# Altium PCB I2C_Jog_Controller.pcbdoc (part 6 of 6)
Units mm, origin at the board's own origin, x right, y up, seen from the top; angles counter-clockwise.
Board outline 94.01 x 162 mm, 4 copper layers (Top Layer, L1, L2, Bottom Layer), stack 1.606 mm thick; 147 components, 78 nets, 5389 pads, 241 vias.
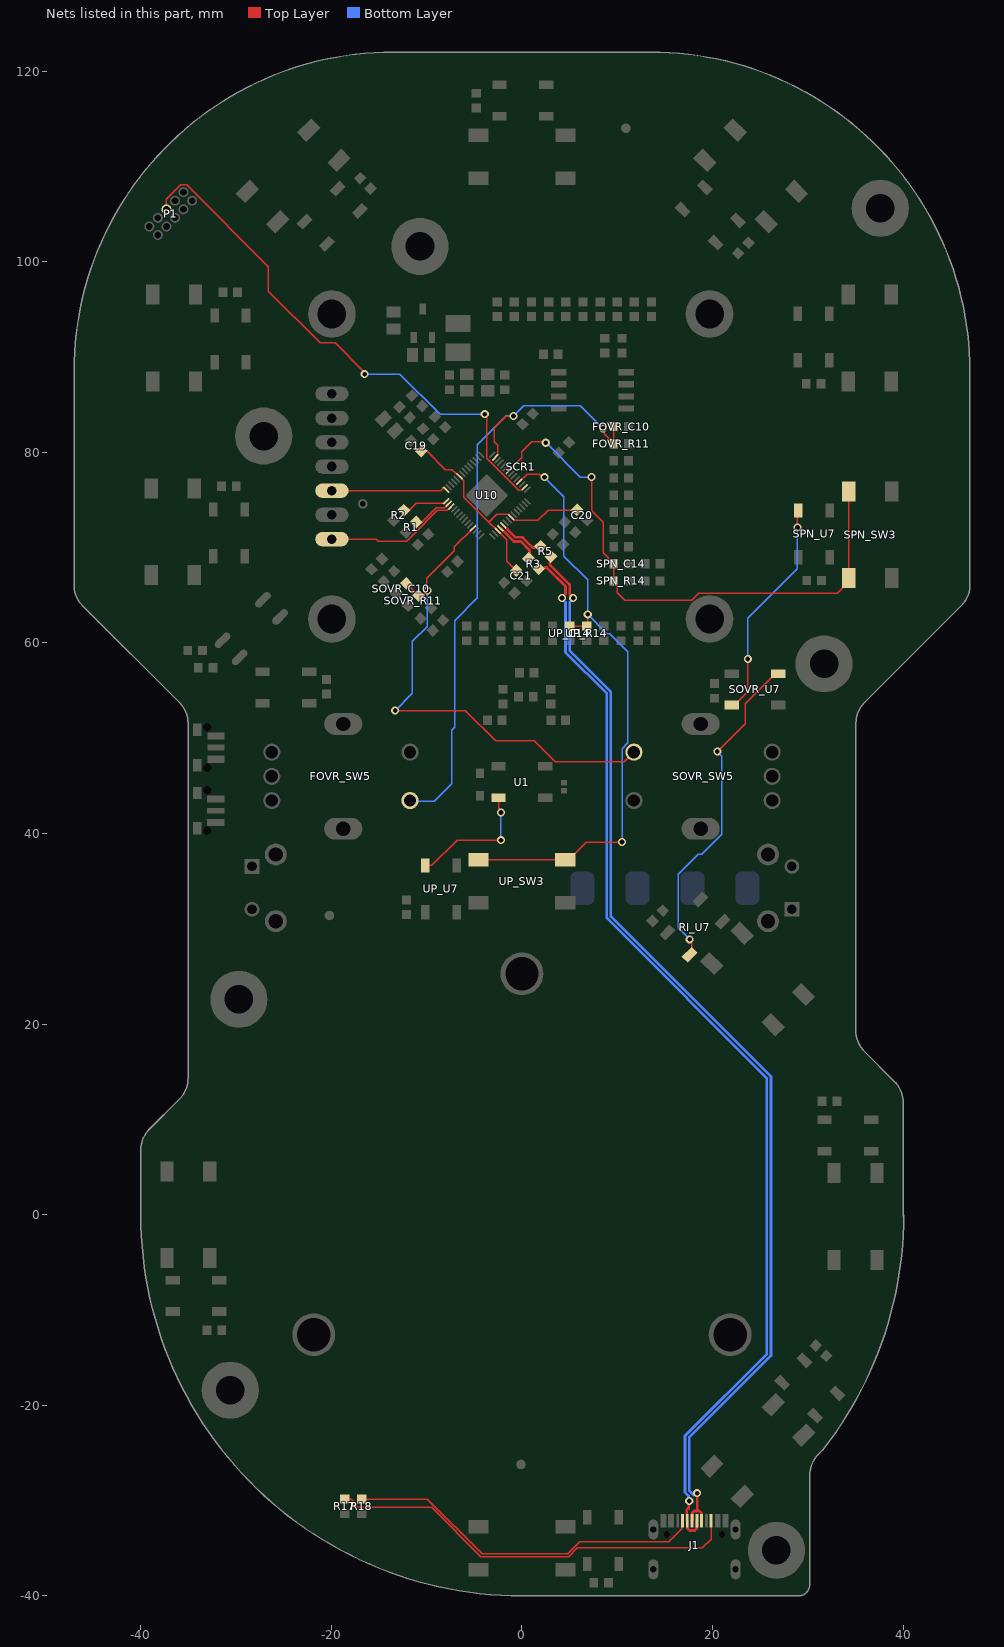
[diagram p8: the nets of this part, all layers, seen from the top]

## Via types
v1: diameter 0.85, hole 0.5, Top Layer to Bottom Layer, tented both sides, 234 vias
v2: diameter 0.85, hole 0.5, Top Layer to Bottom Layer, 7 vias

## Nets (pads, with @x,y where several pads share a name; then routed paths per layer and width w, separated by ;. In a path a pad name is that pad's centre, name@x,y a point inside that pad or via, vN(x,y) a via of type N, cw(c..) or ccw(c..) an arc to the next point about the centre after c; other vN are vias at no path point) (continued)
SCR_RESET: SCR1.7 U10.31 | length 14.1
  Top Layer w0.152: SCR1.7@-19.939,70.888 -15.292,70.888 -15.091,70.687 -12.067,70.687 -10.186,72.568 -10.186,72.61 -8.892,73.904 -7.838,73.904 -7.432,74.31 U10.31@-7.398,74.31
SL1_LED_IN: U1.2 UP_U7.4 | length 13.6
  Top Layer w0.152: UP_U7.4@-10.157,36.65 -9.446,36.65 -6.796,39.3 v1(-2.2,39.3) ; U1.2@-2.45,43.75 -2.45,42.639 -2.2,42.389 v1(-2.2,42.2)
  Bottom Layer w0.152: v1(-2.2,39.3) v1(-2.2,42.2)
SOVR_LED_IN: RI_U7.2 SOVR_U7.4 | length 35.3
  Top Layer w0.152: RI_U7.2@17.586,27.282 17.798,27.494 17.798,28.513 17.6,28.711 v1(17.6,28.9) ; v1(20.5,48.6) 23.429,51.529 23.429,53.614 26.599,56.783 SOVR_U7.4@26.899,56.783
  Bottom Layer w0.152: v1(17.6,28.9) 16.408,30.092 16.408,35.736 18.504,37.833 18.882,37.833 20.979,39.929 20.979,48.121 v1(20.5,48.6)
SPI0_CLK: R2.2 U10.29 | length 4.8
  Top Layer w0.152: R2.2@-12.384,73.931 -12.366,73.914 -11.816,73.914 -11.093,74.637 -8.203,74.637 U10.29@-7.964,74.876
SPI0_CSn: SCR1.5 U10.28 | length 12.2
  Top Layer w0.152: SCR1.5@-19.939,75.968 -8.496,75.968 -8.201,76.263 -8.167,76.263 U10.28@-7.964,76.06
SPI0_TX: R1.2 U10.30 | length 4.2
  Top Layer w0.152: R1.2@-11.09,72.68 -11.076,72.666 -10.526,72.666 -9.008,74.184 -8.124,74.184 -7.715,74.593 U10.30@-7.681,74.593
SPINDLE: SPN_C14.1 SPN_R14.2 SPN_SW3.3 SPN_SW3.4 U10.8 | length 60
  Top Layer w0.152: U10.8@-1.406,78.04 -0.021,79.425 -0.021,80.076 1.008,81.104 2.396,81.104 v1(2.5,81) ; v1(7.3,77.4) 7.3,73.86 8.504,72.655 8.504,69.451 9.63,68.325 SPN_R14.2@9.63,66.5 10.019,66.111 10.019,65.285 10.808,64.496 17.816,64.496 18.555,65.235 33.085,65.235 34.3,66.45 SPN_SW3.3@34.3,75.9
  Bottom Layer w0.152: v1(2.5,81) 2.528,81 6.128,77.4 v1(7.3,77.4)
SPN_LED_IN: SOVR_U7.2 SPN_U7.4 | length 23.2
  Top Layer w0.152: SOVR_U7.2@22.299,53.483 23.7,54.884 v1(23.7,58.3) ; v1(28.9,72.1) 28.9,73.8 SPN_U7.4@29,73.9
  Bottom Layer w0.152: v1(23.7,58.3) 23.7,62.6 28.9,67.8 v1(28.9,72.1)
SW_FEEDOVER: FOVR_C10.2 FOVR_R11.2 FOVR_SW5.E U10.13 | length 67.5
  Top Layer w0.152: U10.13@-2.82,79.454 -2.82,79.488 -2.515,79.793 -2.515,80.719 -2.904,81.108 -2.904,82.592 -1.696,83.8 v1(-0.9,83.8) ; v1(8.5,82.5) 8.633,82.367 8.633,81.922 9.63,80.925 FOVR_R11.2@9.63,80.9 FOVR_C10.2@9.63,82.7
  Bottom Layer w0.152: FOVR_SW5.E@-11.75,43.46 -11.668,43.378 -9.222,43.378 -7.384,45.216 -7.384,50.821 -7.063,51.142 -7.063,62.328 -4.679,64.713 -4.679,80.817 -1.696,83.8 v1(-0.9,83.8) 0.163,84.863 6.137,84.863 v1(8.5,82.5)
SW_SPINOVER: SOVR_C10.2 SOVR_R11.2 SOVR_SW5.E U10.39 | length 53.5
  Top Layer w0.152: v1(-13.3,52.9) -5.941,52.9 -2.774,49.733 1.29,49.733 3.483,47.54 10.75,47.54 SOVR_SW5.E@11.75,48.54 ; SOVR_C10.2@-12.134,66.249 SOVR_R11.2@-10.861,64.977 -10.423,64.977 v1(-9.9,65.5) -10,65.6 v1@-10,65.873 ; v1@-10.137,65.737 v1@-10,65.873 ; U10.39@-5.136,72.047 -7.116,70.067 -7.116,69.684 -10,66.8 v1@-10,65.873
  Bottom Layer w0.152: v1(-13.3,52.9) -11.493,54.707 -11.493,60.159 -9.945,61.706 -9.945,65.455 v1(-9.9,65.5)
UART_TX: P1.6 U10.2 | length 56.8
  Top Layer w0.152: P1.6@-37.3,105.496 -37.3,106.562 -35.816,108.046 -35.192,108.046 -26.596,99.45 -26.596,96.913 -21.185,91.502 -19.606,91.502 -16.633,88.53 -16.633,88.333 v1(-16.5,88.2) ; v1(-3.9,84) -3.9,83.811 -3.691,83.602 -3.691,79.383 -0.346,76.038 -0.047,76.038 0.258,76.343 U10.2@0.291,76.343
  Bottom Layer w0.152: v1(-16.5,88.2) -12.796,88.2 -8.596,84 v1(-3.9,84)
UP: U10.4 UP_C14.1 UP_R14.2 UP_SW3.3 UP_SW3.4 | length 64.3
  Top Layer w0.152: UP_SW3.4@-4.557,37.25 4.893,37.25 6.743,39.1 v1(10.5,39.1) ; U10.4@-0.274,76.908 0.538,77.721 1.841,77.721 2.174,77.387 v1(2.363,77.387) ; UP_C14.1@5,61.77 UP_R14.2@6.8,61.77 6.9,61.87 v1(6.9,63)
  Bottom Layer w0.152: v1(2.363,77.387) 4.396,75.355 4.396,69.108 6.9,66.604 v1(6.9,63) 8.921,60.979 9.217,60.979 11.104,59.092 11.104,49.499 10.5,48.894 v1(10.5,39.1)
USB_D_N: J1.A7 J1.B7 R3.1 | length 117.4
  Top Layer w0.279: R3.1@1.769,67.781 2.229,67.781 2.367,67.919 2.598,67.919 4.572,65.946 4.572,65.149 4.2,64.777 v1(4.2,64.7) ; v1(17.557,-30.043) 17.49,-30.11 17.49,-30.763 17.292,-30.961 17.292,-32.047 17.36,-32.115 17.36,-32.903 17.579,-33.122 18.121,-33.122 18.34,-32.903 18.34,-32.115 J1.A7@18.35,-32.105
  Bottom Layer w0.279: v1(4.2,64.7) 4.2,64.623 4.572,64.251 4.572,59.014 8.9,54.686 8.9,31.121 25.7,14.321 25.7,-14.6 17.112,-23.188 17.112,-29.123 17.477,-29.488 17.477,-29.963 v1(17.557,-30.043)
USB_D_P: J1.A6 J1.B6 R5.1 | length 116.9
  Top Layer w0.279: R5.1@3.042,69.054 3.042,68.594 2.904,68.456 2.904,68.224 5.003,66.124 5.003,65.149 5.375,64.777 v1(5.375,64.7) ; J1.A6@17.85,-32.105 17.896,-32.059 17.896,-31.252 18.059,-31.088 18.388,-31.088 ; v1(18.388,-29.212) 18.388,-31.088 ; J1.B6@18.85,-32.105 18.85,-31.889 18.84,-31.879 18.84,-31.307 18.621,-31.088 18.388,-31.088
  Bottom Layer w0.279: v1(5.375,64.7) 5.375,64.623 5.003,64.251 5.003,59.193 9.332,54.865 9.332,31.299 26.132,14.499 26.132,-14.779 17.544,-23.367 17.544,-28.944 v1@18.026,-29.426
USB_D_R_N: R3.2 U10.46 | length 4.9
  Top Layer w0.279: U10.46@-2.254,72.047 -2.254,72.036 -0.857,70.638 -0.121,70.638 0.818,69.699 0.818,69.468 0.68,69.33 R3.2@0.68,68.87
USB_D_R_P: R5.2 U10.47 | length 5
  Top Layer w0.203: U10.47@-1.971,72.33 -1.559,71.917
  Top Layer w0.279: -1.554,71.946 -0.678,71.07 0.058,71.07 1.123,70.005 1.355,70.005 1.493,70.143 R5.2@1.953,70.143
USBC_CC1: J1.A5 R18.1 | length 37.9
  Top Layer w0.152: R18.1@-16.805,-29.831 -9.939,-29.831 -4.186,-35.584 4.793,-35.584 6.079,-34.299 15.423,-34.299 16.776,-32.946 16.776,-32.179 J1.A5@16.85,-32.105
USBC_CC2: J1.B5 R17.1 | length 43.8
  Top Layer w0.152: R17.1@-18.605,-29.831 -17.886,-29.831 -17.562,-30.155 -17.562,-30.352 -17.237,-30.677 -9.488,-30.677 -4.302,-35.863 4.909,-35.863 5.818,-34.955 18.941,-34.955 19.85,-34.046 J1.B5@19.85,-32.105
VREG_1V1: C19.2 C20.2 C21.2 U10.23 U10.45 U10.50 | length 27.8
  Top Layer w0.152: C19.2@-10.551,80.123 -10.533,80.141 -9.983,80.141 -8.035,78.193 -7.346,78.193 -6.96,77.807 -6.916,77.807 -6.584,77.474 U10.23@-6.55,77.474 -6.55,77.441 -6.12,77.011 -6.12,75.307 -3.478,72.665 ; C21.2@-0.593,67.597 -1.575,68.579 -1.575,70.802 -3.115,72.342 -3.155,72.342 -3.478,72.665 ; C20.2@5.771,73.961 5.753,73.943 2.745,73.943 1.675,72.873 -0.784,72.873 -1.089,73.179 -1.157,73.179 -1.462,73.484 -2.659,73.484 -3.478,72.665
pads on no net: FID1.1 FID2.1 FID3.1 J1. JW1.MNT1 JW1.MNT2 JW1.MNT3 Logo1.1 P1.7 P1.8 P1.9 P1.10 SCR1.8 SCR1.9 SCR1.10 SCR1.11 SW1.MH1 SW1.MH2 SW2.MH1 SW2.MH2

## Polygon pours and split planes (outlines as drawn)
+5V on L2 "+5V_L03_P011" (solid, remove dead copper, pour order 11): -40,6.797 cw(c-39.998,6.797) -39.999,6.798 cw(c-36.933,6.798) -39.101,8.966 -35.935,12.132 ccw(c-38.103,14.3) -35.037,14.3 -35.037,51.567 ccw(c-38.103,51.567) -35.935,53.735 -46.102,63.902 cw(c-43.934,66.07) -47,66.07 -47,88.5 cw(c-13.5,88.5) -13.5,122 13.5,122 cw(c13.5,88.5) 47,88.5 47,66.079 47.009,66.079 cw(c43.943,66.079) 46.111,63.911 35.944,53.744 ccw(c38.112,51.576) 35.046,51.576 35.037,51.576 35.037,19.3 ccw(c38.103,19.3) 35.935,17.132 39.101,13.966 cw(c36.933,11.798) 39.999,11.798 39.999,-0.179 40.065,-0.018 cw(c0.065,-0.018) 31.55,-24.69 31.098,-25.142 ccw(c33.266,-27.31) 30.2,-27.31 30.2,-38.795 cw(c28.997,-38.795) 28.997,-39.997 28.997,-40.001 0,-40.001 cw(c0,-0.001) -40,-0.001
+3.3V on L2 "+3.3V_L03_P006" (solid, remove dead copper, pour order 6): -11.6,98.5 -10.2,99.9 -4.8,99.9 -2,102.7 14.3,102.7 14.9,102.1 14.9,90.2 13.9,89.2 13.9,77 16.9,74 16.9,60.4 14.6,58.1 -9.8,58.1 -17.3,65.6 -17.3,69.9 -11.6,75.6
GND on Top Layer "GND_L01_P008" (solid, remove dead copper, pour order 8): -40,6.797 cw(c-39.998,6.797) -39.999,6.798 cw(c-36.933,6.798) -39.101,8.966 -35.935,12.132 ccw(c-38.103,14.3) -35.037,14.3 -35.037,51.567 ccw(c-38.103,51.567) -35.935,53.735 -46.102,63.902 cw(c-43.934,66.07) -47,66.07 -47,88.5 cw(c-13.5,88.5) -13.5,122 13.5,122 cw(c13.5,88.5) 47,88.5 47,66.079 47.009,66.079 cw(c43.943,66.079) 46.111,63.911 35.944,53.744 ccw(c38.112,51.576) 35.046,51.576 35.037,51.576 35.037,19.3 ccw(c38.103,19.3) 35.935,17.132 39.101,13.966 cw(c36.933,11.798) 39.999,11.798 39.999,-0.179 40.065,-0.018 cw(c0.065,-0.018) 31.55,-24.69 31.098,-25.142 ccw(c33.266,-27.31) 30.2,-27.31 30.2,-38.795 cw(c28.997,-38.795) 28.997,-39.997 28.997,-40.001 0,-40.001 cw(c0,-0.001) -40,-0.001
GND on Bottom Layer "GND_L04_P009" (solid, remove dead copper, pour order 9): -40,6.797 cw(c-39.998,6.797) -39.999,6.798 cw(c-36.933,6.798) -39.101,8.966 -35.935,12.132 ccw(c-38.103,14.3) -35.037,14.3 -35.037,51.567 ccw(c-38.103,51.567) -35.935,53.735 -46.102,63.902 cw(c-43.934,66.07) -47,66.07 -47,88.5 cw(c-13.5,88.5) -13.5,122 13.5,122 cw(c13.5,88.5) 47,88.5 47,66.079 47.009,66.079 cw(c43.943,66.079) 46.111,63.911 35.944,53.744 ccw(c38.112,51.576) 35.046,51.576 35.037,51.576 35.037,19.3 ccw(c38.103,19.3) 35.935,17.132 39.101,13.966 cw(c36.933,11.798) 39.999,11.798 39.999,-0.179 40.065,-0.018 cw(c0.065,-0.018) 31.55,-24.69 31.098,-25.142 ccw(c33.266,-27.31) 30.2,-27.31 30.2,-38.795 cw(c28.997,-38.795) 28.997,-39.997 28.997,-40.001 0,-40.001 cw(c0,-0.001) -40,-0.001
GND on L1 "GND_L02_P010" (solid, remove dead copper, pour order 10): -40,6.797 cw(c-39.998,6.797) -39.999,6.798 cw(c-36.933,6.798) -39.101,8.966 -35.935,12.132 ccw(c-38.103,14.3) -35.037,14.3 -35.037,51.567 ccw(c-38.103,51.567) -35.935,53.735 -46.102,63.902 cw(c-43.934,66.07) -47,66.07 -47,88.5 cw(c-13.5,88.5) -13.5,122 13.5,122 cw(c13.5,88.5) 47,88.5 47,66.079 47.009,66.079 cw(c43.943,66.079) 46.111,63.911 35.944,53.744 ccw(c38.112,51.576) 35.046,51.576 35.037,51.576 35.037,19.3 ccw(c38.103,19.3) 35.935,17.132 39.101,13.966 cw(c36.933,11.798) 39.999,11.798 39.999,-0.179 40.065,-0.018 cw(c0.065,-0.018) 31.55,-24.69 31.098,-25.142 ccw(c33.266,-27.31) 30.2,-27.31 30.2,-38.795 cw(c28.997,-38.795) 28.997,-39.997 28.997,-40.001 0,-40.001 cw(c0,-0.001) -40,-0.001

## Other copper
Top Layer:
  pour cut-out: -7.964,74.876 -7.964,76.06 -4.287,79.737 -3.103,79.737 0.574,76.06 0.574,74.876 -3.103,71.199 -4.287,71.199

## Silkscreen, mask and mechanical layers (free items; w line width, h text height)
Top Overlay:
  circle w0.127: c24.753,-24.744 r5
  circle w0.127: c24.728,24.736 r5
  circle w0.127: c-35,-0.001 r5
  circle w0.127: c-0.002,-35 r5
  circle w0.127: c35,-0.179 r5
  circle w0.75: c-2.7,89.2 r0.1
  circle w0.25: c0,0 r35
  circle w0.127: c-24,109 r9.5
  circle w0.127: c36.5,71.5 r9.5
  circle w0.127: c-36.5,71.5 r9.5
  circle w0.127: c0,111 r9.5
  circle w0.127: c-36.5,92 r9.5
  circle w0.127: c36.5,92 r9.5
  circle w0.127: c24,109 r9.5
  circle w0.127: c19,46 r9.5
  circle w0.127: c-19,46 r9.5
  circle w0.127: c-0.007,35 r5
  lines w0.254: 24.728,24.736 0,0.009 ; 24.753,-24.744 0.009,0 0,0 ; 0,0 0,0.009 ; 0,0 0,0.009
  lines w0.75: -3.595,84.268 -3.495,84.268
  text "PCB_REV '.VarRevNo'" at -16.4,119.2 h1.4
  text "VCC" at -25.741,88.6 h1.52 r315
  text "GND" at -25.841,85.9 h1.52 r315
  text "DIN" at -24.5,77.859 h1.52 r45
  text "CLK" at -24.6,74.859 h1.52 r45
  text "CSn" at -24.6,72.159 h1.52 r45
  text "DC" at -23.7,70.559 h1.52 r45
  text "RST" at -24.2,67.059 h1.52 r45
  text "BOOT" at -30.246,51.146 h1.52 r270
  text "RUN" at -30.346,43.946 h1.52 r270
Bottom Overlay:
  drawing of 632 lines, arcs and shapes, not listed
  text "VCC" at -13.754,85.454 h1.52
  text "GND" at -13.854,82.854 h1.52
  text "DIN" at -13.954,80.354 h1.52
  text "Expatria" at 6.553,80.23 h2.54
  text "CLK" at -13.854,77.754 h1.52
  text "Technologies" at 0.195,76.291 h1.4
  text "CSn" at -13.954,75.254 h1.52
  text "DC" at -13.954,72.754 h1.52
  text "RST" at -14.054,70.254 h1.52
  text "Licensed under CERN-OHL-S v2" at 4.2,53.913 h1.27
  text "Jog3K Controller" at 4.203,52.686 h1.52
  text "PCB_REV '.VarRevNo'" at 4.2,51.4 h1.52
  text "B" at 13.1,32.2 h3.05 r90
  text "VCC" at 24.468,32.198 h3.05 r90
  text "A" at 7.176,32.136 h3.05 r90
  text "GND" at 18.768,32 h3.05 r90
Bottom Solder:
  region: 32.352,26.504 32.952,26.474 32.952,26.597 32.363,26.566 cw(c32.364,26.634) 32.296,26.623 cw(c32.449,26.629) 32.297,26.642 32.399,27.227 32.181,27.148 cw(c32.159,27.229) 32.166,27.146 cw(c32.166,27.19) 32.131,27.162 31.612,27.804 31.544,27.659 cw(c31.504,27.678) 31.504,27.634 cw(c31.504,27.678) 31.49,27.636 31.1,27.763 31.179,27.393 cw(c31.128,27.388) 31.153,27.343 30.984,27.272 31.294,26.983 cw(c31.263,26.951) 31.308,26.951 cw(c31.262,26.952) 31.269,26.907 cw(c31.274,27.253) 31.255,26.908 30.538,27.047 30.667,26.824 cw(c30.628,26.801) 30.673,26.801 cw(c30.628,26.801) 30.648,26.762 30.203,26.535 30.648,26.309 cw(c30.628,26.269) 30.673,26.269 cw(c30.628,26.269) 30.667,26.247 30.538,26.024 31.255,26.163 cw(c31.259,26.113) 31.307,26.125 cw(c31.257,26.122) 31.294,26.087 30.984,25.799 31.153,25.727 cw(c31.135,25.686) 31.18,25.686 31.1,25.308 31.49,25.435 cw(c31.504,25.392) 31.504,25.437 cw(c31.504,25.392) 31.544,25.411 31.612,25.267 32.131,25.909 cw(c32.166,25.881) 32.166,25.925 cw(c32.166,25.881) 32.181,25.922 32.399,25.843 32.297,26.429 cw(c32.576,26.453) 32.296,26.443 cw(c32.36,26.44)
  text "Designed in Canada" at 32.568,48.875 h2.54 r90
Mechanical 6:
  lines w0.75: 28.997,-40.001 0,-40.001 cw(c0,-0.001) -40,-0.001 -40,6.797 cw(c-39.998,6.797) -39.999,6.798 cw(c-36.933,6.798) -39.101,8.966 -35.935,12.132 ccw(c-38.103,14.3) -35.037,14.3 -35.037,51.567 ccw(c-38.103,51.567) -35.935,53.735 -46.102,63.902 cw(c-43.934,66.07) -47,66.07 -47,88.5 cw(c-13.5,88.5) -13.5,122 13.5,122 cw(c13.5,88.5) 47,88.5 47,66.079 47.009,66.079 cw(c43.942,66.079) 46.111,63.911 35.944,53.744 ccw(c38.112,51.576) 35.046,51.576 35.037,51.576 35.037,19.3 ccw(c38.103,19.3) 35.935,17.132 39.101,13.966 cw(c36.933,11.798) 39.999,11.798 39.999,-0.179 40.065,-0.018 cw(c0.065,-0.018) 31.55,-24.69 31.098,-25.142 ccw(c33.266,-27.31) 30.2,-27.31 30.2,-32.052 30.2,-38.795 cw(c28.997,-38.795) 28.997,-39.997 ; -21.971,0 cw(c0,0) 0,21.971 cw(c0,0) 21.971,0 cw(c0,0) 0,-21.971 cw(c0,0) -21.971,0 ; 16.3,69.046 ccw(c18.84,69.046) 18.84,66.506 21.496,66.506 23.364,66.506 ccw(c23.364,68.842) 25.7,68.842 25.7,87.97 ccw(c23.16,87.97) 23.16,90.51 18.84,90.51 ccw(c18.84,87.97) 16.3,87.97 16.3,69.046

## Text inside footprints (layer, text, board x,y; h text height)
P1: Top Overlay "2" at -40.249,102.215 h1.02 r45; Top Overlay "1" at -38.693,101.225 h1.02 r45; Top Overlay "10" at -34.9,108.4 h1.02 r45; Top Overlay "9" at -33.8,107.4 h1.02 r45